# KiCad board chastity.kicad_pcb
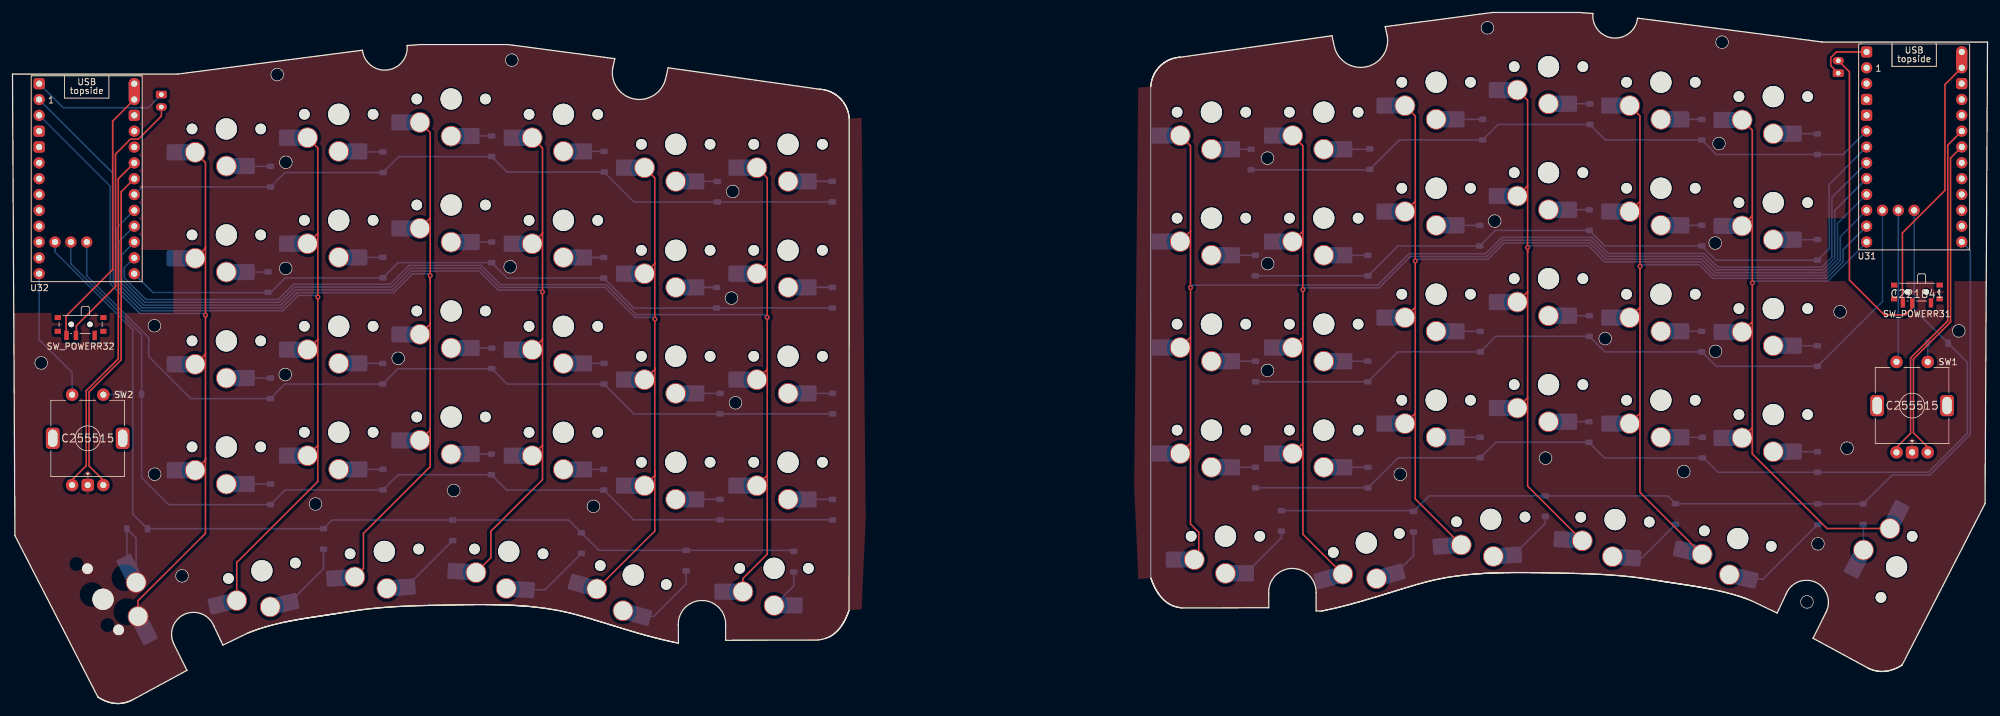
[diagram p0: board, top side]
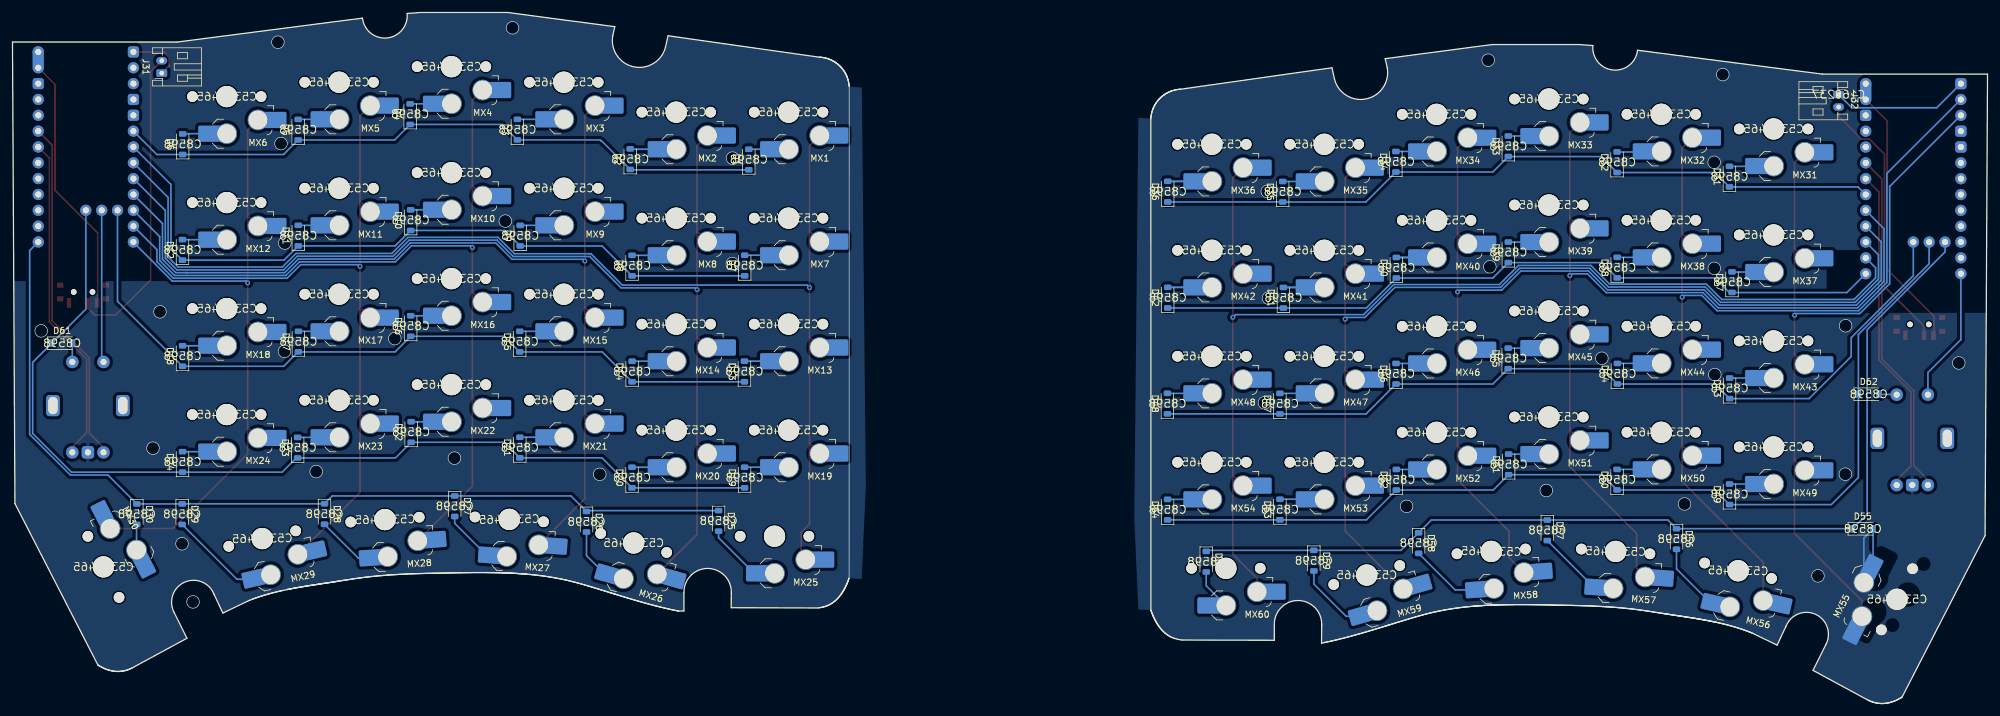
[diagram p1: board, bottom side, seen from below]

Outline 316.37 x 110.84 mm; copper layers: Top, Bottom. Coordinates in mm from the lower left corner of the outline.

## Placement (name value [footprint] x y rotation side)
D1  D_Small  [D_SOD-123]  198.42 87.25 90 bottom
D2  D_Small  [D_SOD-123]  217.42 87.31 90 bottom
D3  D_Small  [D_SOD-123]  235.49 92.05 90 bottom
D4  D_Small  [D_SOD-123]  252.67 94.53 90 bottom
D5  D_Small  [D_SOD-123]  270.61 92.04 90 bottom
D6  D_Small  [D_SOD-123]  289.11 89.71 90 bottom
D7  D_Small  [D_SOD-123]  199.08 70.25 90 bottom
D8  D_Small  [D_SOD-123]  217.12 70.24 90 bottom
D9  D_Small  [D_SOD-123]  235.04 75.04 90 bottom
D10  D_Small  [D_SOD-123]  252.59 77.53 90 bottom
D11  D_Small  [D_SOD-123]  270.59 75.05 90 bottom
D12  D_Small  [D_SOD-123]  289.14 72.76 90 bottom
D13  D_Small  [D_SOD-123]  199.12 53.26 90 bottom
D14  D_Small  [D_SOD-123]  217.11 53.25 90 bottom
D15  D_Small  [D_SOD-123]  235.12 58.05 90 bottom
D16  D_Small  [D_SOD-123]  252.58 60.55 90 bottom
D17  D_Small  [D_SOD-123]  270.57 58.05 90 bottom
D18  D_Small  [D_SOD-123]  289.13 55.74 90 bottom
D19  D_Small  [D_SOD-123]  199.1 36.25 90 bottom
D20  D_Small  [D_SOD-123]  217.13 36.24 90 bottom
D21  D_Small  [D_SOD-123]  235.1 41.06 90 bottom
D22  D_Small  [D_SOD-123]  252.51 43.55 90 bottom
D23  D_Small  [D_SOD-123]  270.69 41.04 90 bottom
D24  D_Small  [D_SOD-123]  289.13 38.75 90 bottom
D25  D_Small  [D_SOD-123]  203.27 29.29 270 bottom
D26  D_Small  [D_SOD-123]  224.42 29.16 270 bottom
D27  D_Small  [D_SOD-123]  245.53 31.65 270 bottom
D28  D_Small  [D_SOD-123]  266.39 30.4 270 bottom
D29  D_Small  [D_SOD-123]  289.19 30.37 270 bottom
D30  D_Small  [D_SOD-123]  296.45 30.37 270 bottom
D31  D_Small  [D_SOD-123]  41.34 84.51 90 bottom
D32  D_Small  [D_SOD-123]  59.34 86.82 90 bottom
D33  D_Small  [D_SOD-123]  76.76 89.38 90 bottom
D34  D_Small  [D_SOD-123]  94.77 86.9 90 bottom
D35  D_Small  [D_SOD-123]  112.91 82.08 90 bottom
D36  D_Small  [D_SOD-123]  131.31 82.1 90 bottom
D37  D_Small  [D_SOD-123]  40.93 67.59 90 bottom
D38  D_Small  [D_SOD-123]  59.32 69.92 90 bottom
D39  D_Small  [D_SOD-123]  76.76 72.37 90 bottom
D40  D_Small  [D_SOD-123]  94.7 69.9 90 bottom
D41  D_Small  [D_SOD-123]  112.79 65.08 90 bottom
D42  D_Small  [D_SOD-123]  131.32 65.1 90 bottom
D43  D_Small  [D_SOD-123]  41.32 50.56 90 bottom
D44  D_Small  [D_SOD-123]  59.29 52.9 90 bottom
D45  D_Small  [D_SOD-123]  76.78 55.36 90 bottom
D46  D_Small  [D_SOD-123]  94.75 52.9 90 bottom
D47  D_Small  [D_SOD-123]  113.35 48.1 90 bottom
D48  D_Small  [D_SOD-123]  131.37 48.11 90 bottom
D49  D_Small  [D_SOD-123]  41.33 33.56 90 bottom
D50  D_Small  [D_SOD-123]  59.34 35.91 90 bottom
D51  D_Small  [D_SOD-123]  76.71 38.36 90 bottom
D52  D_Small  [D_SOD-123]  94.7 35.9 90 bottom
D53  D_Small  [D_SOD-123]  113.35 31.12 90 bottom
D54  D_Small  [D_SOD-123]  131.34 31.1 90 bottom
D55  D_Small  [D_SOD-123]  19.98 28.02 180 bottom
D56  D_Small  [D_SOD-123]  49.82 26.4 270 bottom
D57  D_Small  [D_SOD-123]  70.52 27.79 270 bottom
D58  D_Small  [D_SOD-123]  91.13 25.74 270 bottom
D59  D_Small  [D_SOD-123]  107.91 22.92 270 bottom
D60  D_Small  [D_SOD-123]  125.15 22.76 270 bottom
D61  D_Small  [D_SOD-123]  308.41 57.8 180 bottom
D62  D_Small  [D_SOD-123]  19.03 49.62 180 bottom
J31  Conn_01x02_Socket  [JST_PH_S2B-PH-K_1x02_P2.00mm_Horizontal]  292.46 101.11 90 bottom
J32  Conn_01x02_Socket  [JST_PH_S2B-PH-K_1x02_P2.00mm_Horizontal]  23.85 97.68 270 bottom
MX1  MX_SW_HS  [SW_choc_v1_HS_CPG135001S30_1u]  192.05 94.85 180 bottom
MX2  MX_SW_HS  [SW_choc_v1_HS_CPG135001S30_1u]  210.05 94.85 180 bottom
MX3  MX_SW_HS  [SW_choc_v1_HS_CPG135001S30_1u]  228.05 99.65 180 bottom
MX4  MX_SW_HS  [SW_choc_v1_HS_CPG135001S30_1u]  246.05 102.15 180 bottom
MX5  MX_SW_HS  [SW_choc_v1_HS_CPG135001S30_1u]  264.05 99.65 180 bottom
MX6  MX_SW_HS  [SW_choc_v1_HS_CPG135001S30_1u]  282.05 97.35 180 bottom
MX7  MX_SW_HS  [SW_choc_v1_HS_CPG135001S30_1u]  192.05 77.85 180 bottom
MX8  MX_SW_HS  [SW_choc_v1_HS_CPG135001S30_1u]  210.05 77.85 180 bottom
MX9  MX_SW_HS  [SW_choc_v1_HS_CPG135001S30_1u]  228.05 82.65 180 bottom
MX10  MX_SW_HS  [SW_choc_v1_HS_CPG135001S30_1u]  246.05 85.15 180 bottom
MX11  MX_SW_HS  [SW_choc_v1_HS_CPG135001S30_1u]  264.05 82.65 180 bottom
MX12  MX_SW_HS  [SW_choc_v1_HS_CPG135001S30_1u]  282.05 80.35 180 bottom
MX13  MX_SW_HS  [SW_choc_v1_HS_CPG135001S30_1u]  192.05 60.85 180 bottom
MX14  MX_SW_HS  [SW_choc_v1_HS_CPG135001S30_1u]  210.05 60.85 180 bottom
MX15  MX_SW_HS  [SW_choc_v1_HS_CPG135001S30_1u]  228.05 65.65 180 bottom
MX16  MX_SW_HS  [SW_choc_v1_HS_CPG135001S30_1u]  246.05 68.15 180 bottom
MX17  MX_SW_HS  [SW_choc_v1_HS_CPG135001S30_1u]  264.05 65.65 180 bottom
MX18  MX_SW_HS  [SW_choc_v1_HS_CPG135001S30_1u]  282.05 63.35 180 bottom
MX19  MX_SW_HS  [SW_choc_v1_HS_CPG135001S30_1u]  192.05 43.85 180 bottom
MX20  MX_SW_HS  [SW_choc_v1_HS_CPG135001S30_1u]  210.05 43.85 180 bottom
MX21  MX_SW_HS  [SW_choc_v1_HS_CPG135001S30_1u]  228.05 48.65 180 bottom
MX22  MX_SW_HS  [SW_choc_v1_HS_CPG135001S30_1u]  246.05 51.15 180 bottom
MX23  MX_SW_HS  [SW_choc_v1_HS_CPG135001S30_1u]  264.05 48.65 180 bottom
MX24  MX_SW_HS  [SW_choc_v1_HS_CPG135001S30_1u]  282.05 46.35 180 bottom
MX25  MX_SW_HS  [SW_choc_v1_HS_CPG135001S30_1.25u]  194.31 26.83 180 bottom
MX26  MX_SW_HS  [SW_choc_v1_HS_CPG135001S30_1u]  216.87 25.75 196 bottom
MX27  MX_SW_HS  [SW_choc_v1_HS_CPG135001S30_1u#3]  236.8 29.53 184 bottom
MX28  MX_SW_HS  [SW_choc_v1_HS_CPG135001S30_1u]  256.71 29.5 176 bottom
MX29  MX_SW_HS  [SW_choc_v1_HS_CPG135001S30_1u#3]  276.37 26.46 167 bottom
MX30  MX_SW_HS  [SW_choc_v1_HS_CPG135001S30_1u]  301.8 21.92 63 bottom
MX31  MX_SW_HS  [SW_choc_v1_HS_CPG135001S30_1u]  34.26 92.16 180 bottom
MX32  MX_SW_HS  [SW_choc_v1_HS_CPG135001S30_1u]  52.26 94.51 180 bottom
MX33  MX_SW_HS  [SW_choc_v1_HS_CPG135001S30_1u]  70.26 96.96 180 bottom
MX34  MX_SW_HS  [SW_choc_v1_HS_CPG135001S30_1u]  88.25 94.5 180 bottom
MX35  MX_SW_HS  [SW_choc_v1_HS_CPG135001S30_1u]  106.24 89.7 180 bottom
MX36  MX_SW_HS  [SW_choc_v1_HS_CPG135001S30_1u]  124.24 89.7 180 bottom
MX37  MX_SW_HS  [SW_choc_v1_HS_CPG135001S30_1u]  34.26 75.16 180 bottom
MX38  MX_SW_HS  [SW_choc_v1_HS_CPG135001S30_1u]  52.26 77.51 180 bottom
MX39  MX_SW_HS  [SW_choc_v1_HS_CPG135001S30_1u]  70.26 79.96 180 bottom
MX40  MX_SW_HS  [SW_choc_v1_HS_CPG135001S30_1u]  88.25 77.5 180 bottom
MX41  MX_SW_HS  [SW_choc_v1_HS_CPG135001S30_1u]  106.24 72.7 180 bottom
MX42  MX_SW_HS  [SW_choc_v1_HS_CPG135001S30_1u]  124.24 72.7 180 bottom
MX43  MX_SW_HS  [SW_choc_v1_HS_CPG135001S30_1u]  34.26 58.16 180 bottom
MX44  MX_SW_HS  [SW_choc_v1_HS_CPG135001S30_1u]  52.26 60.51 180 bottom
MX45  MX_SW_HS  [SW_choc_v1_HS_CPG135001S30_1u]  70.26 62.96 180 bottom
MX46  MX_SW_HS  [SW_choc_v1_HS_CPG135001S30_1u]  88.25 60.5 180 bottom
MX47  MX_SW_HS  [SW_choc_v1_HS_CPG135001S30_1u]  106.24 55.7 180 bottom
MX48  MX_SW_HS  [SW_choc_v1_HS_CPG135001S30_1u]  124.24 55.7 180 bottom
MX49  MX_SW_HS  [SW_choc_v1_HS_CPG135001S30_1u]  34.26 41.16 180 bottom
MX50  MX_SW_HS  [SW_choc_v1_HS_CPG135001S30_1u]  52.26 43.51 180 bottom
MX51  MX_SW_HS  [SW_choc_v1_HS_CPG135001S30_1u]  70.26 45.96 180 bottom
MX52  MX_SW_HS  [SW_choc_v1_HS_CPG135001S30_1u]  88.25 43.5 180 bottom
MX53  MX_SW_HS  [SW_choc_v1_HS_CPG135001S30_1u]  106.24 38.7 180 bottom
MX54  MX_SW_HS  [SW_choc_v1_HS_CPG135001S30_1u]  124.24 38.7 180 bottom
MX55  MX_SW_HS  [SW_choc_v1_HS_CPG135001S30_1u]  14.5 16.72 297 bottom
MX56  MX_SW_HS  [SW_choc_v1_HS_CPG135001S30_1u]  39.95 21.3 193 bottom
MX57  MX_SW_HS  [SW_choc_v1_HS_CPG135001S30_1u#3]  59.57 24.39 184 bottom
MX58  MX_SW_HS  [SW_choc_v1_HS_CPG135001S30_1u#2]  79.5 24.4 176 bottom
MX59  MX_SW_HS  [SW_choc_v1_HS_CPG135001S30_1u]  99.44 20.61 164 bottom
MX60  MX_SW_HS  [SW_choc_v1_HS_CPG135001S30_1.25u]  122 21.69 180 bottom
SW1  RotaryEncoder_Switch  [ROT_Alps_EC11E-Switch]  304.29 47.79 0 top
SW2  RotaryEncoder_Switch  [ROT_Alps_EC11E-Switch]  12.05 42.54 0 top
SW_POWERR31  SW_SPDT  [SW_SPDT_PCM12#2]  305.06 65.68 180 top
SW_POWERR32  SW_SPDT  [SW_SPDT_PCM12]  10.91 60.48 180 top
U31  nice_nano  [nice_nano_AH_USBup]  304.62 88 0 top
U32  nice_nano  [nice_nano_AH_USBup]  11.89 82.91 0 top

## Library data of the parts
D1-D62 = -: Sim.Device: D; Sim.Pins: 1=K 2=A; LCSC: C8598; ki_fp_filters: TO-???* *_Diode_* *SingleDiode* D_*
J31 = -: ki_fp_filters: Connector*:*_1x??_*
J32 = -: LCSC: C160237; ki_fp_filters: Connector*:*_1x??_*
MX1-MX24 MX26-MX59 = -: LCSC: C5333465
SW1 SW2 = -: LCSC: C255515; ki_fp_filters: RotaryEncoder*Switch*
SW_POWERR31 = -: Description: Switch, single pole double throw; LCSC: C221841
SW_POWERR32 = -: Description: Switch, single pole double throw
U31 U32 = -: Datasheet: https://nicekeyboards.com/docs/nice-nano/pinout-schematic

## Footprints (pads in the part's own frame, mm; a bottom-side part is the same pattern mirrored in y, then rotated)
D_SOD-123
  rrect 0.9x1.2 smd: 1(-1.65,0) 2(1.65,0)
JST_PH_S2B-PH-K_1x02_P2.00mm_Horizontal
  rrect 1.2x1.75 hole 0.75: 1(0,0)
  oval 1.2x1.75 hole 0.75: 2(2,0)
nice_nano_AH_USBup
  round 1.8 hole 1: 1(-7.62,13.97) 2(-7.62,11.43) 5(-7.62,3.81) 6(-7.62,1.27) 7(-7.62,-1.27) 8(-7.62,-3.81) 9(-7.62,-6.35) 10(-7.62,-8.89) 11(-7.62,-11.43) 12(-7.62,-13.97) 15(7.62,8.89) 16(7.62,6.35) 17(7.62,3.81) 18(7.62,1.27) 19(7.62,-1.27) 20(7.62,-3.81) 21(7.62,-6.35) 22(7.62,-8.89) 23(7.62,-11.43) 24(7.62,-13.97) 25(-5.08,-8.89) 26(-2.54,-8.89) 27(0,-8.89) 29(7.62,16.51)
  rrect 1.8x1.8 hole 1: 3(-7.62,8.89) 4(-7.62,6.35) 14(7.62,11.43) 28(-7.62,16.51)
  oval 1.8x4.34 hole 1: 13(7.62,13.97)
ROT_Alps_EC11E-Switch
  round 2 hole 1: A(-2.5,-7.5) B(2.5,-7.5) S1(2.5,7) S2(-2.5,7)
  rrect 2x2 hole 1: C(0,-7.5)
  rrect 2.2x3.4 hole 1.5x2.8: MP(-5.6,0) MP(5.6,0)
SW_choc_v1_HS_CPG135001S30_1.25u
  round 1.7 hole 1.7 unplated: (-5.5,0) (5.5,0)
  round 3.4 hole 3.4 unplated: (0,0)
  round 3.3 hole 3: 1(5,-3.75) 2(0,-5.95)
  rect 1.2x2.6 smd: 1(6.55,-3.75) 2(-1.55,-5.95)
  rrect 2.65x2.6 smd: 1(8.245,-3.75) 2(-3.245,-5.95)
SW_choc_v1_HS_CPG135001S30_1u
  round 1.7 hole 1.7 unplated: (-5.5,0) (5.5,0)
  round 3.4 hole 3.4 unplated: (0,0)
  round 3.3 hole 3: 1(5,-3.75) 2(0,-5.95)
  rect 1.2x2.6 smd: 1(6.55,-3.75) 2(-1.55,-5.95)
  rrect 2.65x2.6 smd: 1(8.245,-3.75) 2(-3.245,-5.95)
SW_choc_v1_HS_CPG135001S30_1u#2
  round 1.7 hole 1.7 unplated: (-5.5,0) (5.5,0)
  round 3.4 hole 3.4 unplated: (0,0)
  round 3.3 hole 3: 1(5,-3.75) 2(0,-5.95)
  rect 1.2x2.6 smd: 1(6.55,-3.75) 2(-1.55,-5.95)
  rrect 2.65x2.6 smd: 1(8.245,-3.75) 2(-3.245,-5.95)
SW_choc_v1_HS_CPG135001S30_1u#3
  round 1.7 hole 1.7 unplated: (-5.5,0) (5.5,0)
  round 3.4 hole 3.4 unplated: (0,0)
  round 3.3 hole 3: 1(5,-3.75) 2(0,-5.95)
  rect 1.2x2.6 smd: 1(6.55,-3.75) 2(-1.55,-5.95)
  rrect 2.65x2.6 smd: 1(8.245,-3.75) 2(-3.245,-5.95)
SW_SPDT_PCM12
  rect 1x0.8 smd: (-3.65,0.78) (-3.65,-1.43) (3.65,0.78) (3.65,-1.43)
  round 0.9 hole 0.9 unplated: (-1.5,-0.33) (1.5,-0.33)
  rect 0.7x1.5 smd: 1(-2.25,1.43) 2(0.75,1.43) 3(2.25,1.43)
SW_SPDT_PCM12#2
  rect 1x0.8 smd: (-3.65,0.78) (-3.65,-1.43) (3.65,0.78) (3.65,-1.43)
  round 0.9 hole 0.9 unplated: (-1.5,-0.33) (1.5,-0.33)
  rect 0.7x1.5 smd: 1(-2.25,1.43) 2(0.75,1.43) 3(2.25,1.43)

## Nets
GND: SW1.C SW2.C
col 0: SW2.S2 U32.12
col 1: MX31.1 MX37.1 MX43.1 MX49.1 MX55.1 U32.2
col 2: MX32.1 MX38.1 MX44.1 MX50.1 MX56.1 U32.1
col 3: MX33.1 MX39.1 MX45.1 MX51.1 MX57.1 U32.20
col 4: MX34.1 MX40.1 MX46.1 MX52.1 MX58.1 U32.21
col 5: MX35.1 MX41.1 MX47.1 MX53.1 MX59.1 U32.22
col 6: MX36.1 MX42.1 MX48.1 MX54.1 MX60.1 U32.23
row 0: D31.1 D32.1 D33.1 D34.1 D35.1 D36.1 U32.19
row 1: D37.1 D38.1 D39.1 D40.1 D41.1 D42.1 U32.24
row 2: D43.1 D44.1 D45.1 D46.1 D47.1 D48.1 U32.27
row 3: D49.1 D50.1 D51.1 D52.1 D53.1 D54.1 D62.1 U32.26
row 4: D55.1 D56.1 D57.1 D58.1 D59.1 D60.1 U32.25
Net-(D1-A): D1.2 MX1.2
Net-(D1-K): D1.1 D2.1 D3.1 D4.1 D5.1 D6.1 U31.5
Net-(D2-A): D2.2 MX2.2
Net-(D3-A): D3.2 MX3.2
Net-(D4-A): D4.2 MX4.2
Net-(D5-A): D5.2 MX5.2
Net-(D6-A): D6.2 MX6.2
Net-(D7-A): D7.2 MX7.2
Net-(D8-A): D8.2 MX8.2
Net-(D9-A): D9.2 MX9.2
Net-(D10-A): D10.2 MX10.2
Net-(D10-K): D7.1 D8.1 D9.1 D10.1 D11.1 D12.1 U31.6
Net-(D11-A): D11.2 MX11.2
Net-(D12-A): D12.2 MX12.2
Net-(D13-A): D13.2 MX13.2
Net-(D13-K): D13.1 D14.1 D15.1 D16.1 D17.1 D18.1 U31.25
Net-(D14-A): D14.2 MX14.2
Net-(D15-A): D15.2 MX15.2
Net-(D16-A): D16.2 MX16.2
Net-(D17-A): D17.2 MX17.2
Net-(D18-A): D18.2 MX18.2
Net-(D19-A): D19.2 MX19.2
Net-(D19-K): D19.1 D20.1 D21.1 D22.1 D23.1 D24.1 D61.1 U31.27
Net-(D20-A): D20.2 MX20.2
Net-(D21-A): D21.2 MX21.2
Net-(D22-A): D22.2 MX22.2
Net-(D23-A): D23.2 MX23.2
Net-(D24-A): D24.2 MX24.2
Net-(D25-A): D25.2 MX25.2
Net-(D25-K): D25.1 D26.1 D27.1 D28.1 D29.1 D30.1 U31.24
Net-(D26-A): D26.2 MX26.2
Net-(D27-A): D27.2 MX27.2
Net-(D28-A): D28.2 MX28.2
Net-(D29-A): D29.2 MX29.2
Net-(D30-A): D30.2 MX30.2
Net-(D31-A): D31.2 MX31.2
Net-(D32-A): D32.2 MX32.2
Net-(D33-A): D33.2 MX33.2
Net-(D34-A): D34.2 MX34.2
Net-(D35-A): D35.2 MX35.2
Net-(D36-A): D36.2 MX36.2
Net-(D37-A): D37.2 MX37.2
Net-(D38-A): D38.2 MX38.2
Net-(D39-A): D39.2 MX39.2
Net-(D40-A): D40.2 MX40.2
Net-(D41-A): D41.2 MX41.2
Net-(D42-A): D42.2 MX42.2
Net-(D43-A): D43.2 MX43.2
Net-(D44-A): D44.2 MX44.2
Net-(D45-A): D45.2 MX45.2
Net-(D46-A): D46.2 MX46.2
Net-(D47-A): D47.2 MX47.2
Net-(D48-A): D48.2 MX48.2
Net-(D49-A): D49.2 MX49.2
Net-(D50-A): D50.2 MX50.2
Net-(D51-A): D51.2 MX51.2
Net-(D52-A): D52.2 MX52.2
Net-(D53-A): D53.2 MX53.2
Net-(D54-A): D54.2 MX54.2
Net-(D55-A): D55.2 MX55.2
Net-(D56-A): D56.2 MX56.2
Net-(D57-A): D57.2 MX57.2
Net-(D58-A): D58.2 MX58.2
Net-(D59-A): D59.2 MX59.2
Net-(D60-A): D60.2 MX60.2
Net-(D61-A): D61.2 SW1.S1
Net-(D62-A): D62.2 SW2.S1
Net-(J31-Pin_1): J31.1 U31.28
Net-(J31-Pin_2): J31.2 SW_POWERR31.2
Net-(J32-Pin_1): J32.1 U32.28
Net-(J32-Pin_2): J32.2 SW_POWERR32.2
Net-(SW_POWERR31-C): SW_POWERR31.3 U31.13
Net-(SW_POWERR32-C): SW_POWERR32.3 U32.13
Net-(U31-P0.11): MX4.1 MX10.1 MX16.1 MX22.1 MX28.1 U31.10
Net-(U31-P0.22): MX1.1 MX7.1 MX13.1 MX19.1 MX25.1 U31.7
Net-(U31-P0.24): MX2.1 MX8.1 MX14.1 MX20.1 MX26.1 U31.8
Net-(U31-P0.29-LF): SW1.B U31.18
Net-(U31-P0.31-LF): SW1.A U31.17
Net-(U31-P1.00): MX3.1 MX9.1 MX15.1 MX21.1 MX27.1 U31.9
Net-(U31-P1.02-LF): SW1.S2 U31.26
Net-(U31-P1.04-LF): MX5.1 MX11.1 MX17.1 MX23.1 MX29.1 U31.11
Net-(U31-P1.06-LF): MX6.1 MX12.1 MX18.1 MX24.1 MX30.1 U31.12
Net-(U32-P0.29-LF): SW2.B U32.18
Net-(U32-P0.31-LF): SW2.A U32.17

Pads without a net: SW1 MP; SW2 MP; SW_POWERR31 1; SW_POWERR32 1; U31 1 2 3 4 14 15 16 19 20 21 22 23 29; U32 3 4 5 6 7 8 9 10 11 14 15 16 29

## Via types
v1: diameter 0.8, hole 0.4, Top to Bottom, 12 vias

## Routing (per net, layer and track width the routed paths; a pad name or vN(x,y) marks a point on that pad's centre or on a via; arc(x,y) is an arc through that point)
col 0: length 21.6
  Bottom w0.25: SW2.S2 9.55,53.09 4.27,58.37 U32.12
col 1: length 136.1
  Top w0.25: 30.91,56.08 30.91,39.34 ; 30.91,56.08 30.91,73.23 ; 30.91,56.08 30.91,56.06 MX43.1 ; 30.91,39.34 30.91,27.29 20.12,16.5 MX55.1 ; 30.91,39.34 30.91,39.06 MX49.1 ; 30.91,73.23 30.91,73.06 MX37.1 ; 30.91,73.23 30.91,86.76 MX31.1
  Bottom w0.25: U32.2 15.68,82.93 15.68,67.32 20.45,62.56 30.63,62.56 v1(30.91,62.28)
col 2: length 157.6
  Top w0.25: 48.91,41.41 MX50.1 ; 48.91,41.41 48.91,58.46 ; 48.91,41.41 48.91,35.61 35.92,22.62 MX56.1 ; 48.91,58.46 48.91,58.41 MX44.1 ; 48.91,58.46 48.91,65.34 ; MX32.1 48.91,89.11 48.91,75.41 ; MX38.1 48.91,75.41 ; 48.91,75.41 48.91,65.34 ; 48.91,65.34 v1(48.91,65.18)
  Bottom w0.25: U32.1 16.13,85.02 16.13,67.51 20.63,63.01 43.32,63.01 45.77,65.46 48.64,65.46 v1(48.91,65.18)
col 3: length 154.1
  Top w0.25: MX45.1 66.91,60.86 66.91,61.04 ; 66.91,67.66 66.91,61.04 ; 66.91,67.66 v1(66.91,68.64) ; 66.91,67.66 66.91,77.91 ; 66.91,61.04 66.91,44.11 ; 66.91,77.91 66.91,91.56 MX33.1 ; 66.91,77.91 66.91,77.86 MX39.1 ; 66.91,44.11 66.91,43.86 MX51.1 ; 66.91,44.11 66.91,37.99 56.21,27.29 56.21,21.68 MX57.1
  Bottom w0.25: U32.20 16.58,76.17 16.58,67.7 20.82,63.46 43.13,63.46 45.58,65.91 61.08,65.91 64.09,68.92 66.64,68.92 v1(66.91,68.64)
col 4: length 165.2
  Top w0.25: 84.9,41.4 84.9,35.9 76.65,27.65 76.65,23.41 MX58.1 ; 84.9,41.4 84.9,58.47 ; 84.9,41.4 MX52.1 ; MX40.1 84.9,75.4 84.9,75.51 ; 84.9,65.74 84.9,58.47 ; 84.9,65.74 v1(84.9,66.02) ; 84.9,65.74 84.9,75.51 ; 84.9,58.47 84.9,58.4 MX46.1 ; MX34.1 84.9,89.1 84.9,75.51
  Bottom w0.25: v1(84.9,66.02) 84.62,66.3 77.82,66.3 74.75,69.37 63.9,69.37 60.89,66.36 45.39,66.36 42.94,63.91 21.01,63.91 17.03,67.88 17.03,74.06 19.51,76.54 U32.21
col 5: length 179.5
  Top w0.25: MX53.1 102.89,36.6 102.89,37.29 ; 102.89,70.7 102.89,84.3 MX35.1 ; 102.89,70.7 102.89,70.6 MX41.1 ; 102.89,70.7 102.89,53.79 ; 102.89,37.29 102.89,53.79 ; 102.89,37.29 102.89,27.67 MX59.1 ; MX47.1 102.89,53.6 102.89,53.79
  Bottom w0.25: v1(102.89,61.65) 102.62,61.93 99.75,61.93 94.93,66.75 78,66.75 74.93,69.82 63.72,69.82 60.71,66.81 45.21,66.81 42.76,64.36 21.19,64.36 17.48,68.07 17.48,71.99 U32.22
col 6: length 191.6
  Top w0.25: MX36.1 120.89,84.3 120.89,70.84 ; 120.89,53.71 120.89,36.6 ; 120.89,53.71 120.89,53.6 MX48.1 ; 120.89,53.71 120.89,70.84 ; 120.89,36.6 120.89,23.96 117,20.06 MX60.1 ; 120.89,36.6 MX54.1 ; 120.89,70.84 120.89,70.6 MX42.1
  Bottom w0.25: v1(120.89,61.95) 120.46,62.38 99.93,62.38 95.11,67.2 78.19,67.2 75.12,70.27 63.53,70.27 60.52,67.26 45.02,67.26 42.57,64.81 21.38,64.81 17.93,68.26 17.93,69.9 U32.23
row 0: length 117.4
  Bottom w0.25: D36.1 112.93,80.45 D35.1 99.59,80.43 D34.1 79.24,85.25 D33.1 61.9,87.73 D32.1 43.65,85.17 D31.1 20.73,82.86 U32.19
row 1: length 118.1
  Bottom w0.25: U32.24 22.53,65.92 40.91,65.92 D37.1 41.36,65.94 43.69,68.27 D38.1 61.77,70.72 D39.1 79.23,68.25 D40.1 99.51,63.43 D41.1 112.81,63.45 D42.1
row 2: length 139.8
  Bottom w0.25: D48.1 113.36,46.46 D47.1 99.55,46.45 D46.1 79.24,51.25 D45.1 61.75,53.71 D44.1 43.65,51.25 D43.1 28.58,48.91 21.83,55.65 21.83,58.68 11.89,68.62 U32.27
row 3: length 159.9
  Bottom w0.25: U32.26 9.35,70.52 20.68,59.19 D62.1 20.68,36.26 25.03,31.91 D49.1 43.68,34.26 D50.1 61.79,36.71 D51.1 79.17,34.25 D52.1 99.48,29.47 D53.1 131.32,29.47 D54.1
row 4: length 158.3
  Bottom w0.25: U32.25 6.81,72.42 19.28,59.95 19.28,30.37 D55.1 21.66,28.05 D56.1 51.21,29.44 D57.1 89.08,29.44 D58.1 93.95,24.57 D59.1 124.99,24.57 D60.1
Net-(D1-A): length 6.4
  Bottom w0.25: D1.2 198.42,88.9 MX1.2 MX1.2
Net-(D1-K): length 105.1
  Bottom w0.25: D1.1 217.37,85.6 D2.1 222.04,90.28 222.15,90.28 222.27,90.4 D3.1 237.97,92.88 D4.1 255.16,90.39 D5.1 272.95,88.06 D6.1 293.25,88.06 U31.5
Net-(D2-A): length 7.4
  Bottom w0.25: D2.2 217.36,88.9 MX2.2 MX2.2
Net-(D3-A): length 7.4
  Bottom w0.25: D3.2 MX3.2 MX3.2
Net-(D4-A): length 6.6
  Bottom w0.25: D4.2 252.65,96.2 MX4.2 MX4.2
Net-(D5-A): length 6.6
  Bottom w0.25: D5.2 270.61,93.7 MX5.2 MX5.2
Net-(D6-A): length 7.1
  Bottom w0.25: D6.2 289.07,91.4 MX6.2 MX6.2
Net-(D7-A): length 7
  Bottom w0.25: MX7.2 MX7.2 195.3,71.9 D7.2
Net-(D8-A): length 7.1
  Bottom w0.25: D8.2 213.31,71.89 MX8.2 MX8.2
Net-(D9-A): length 7
  Bottom w0.25: D9.2 235.03,76.7 MX9.2 MX9.2
Net-(D10-A): length 9.8
  Bottom w0.25: D10.2 252.57,79.2 MX10.2 MX10.2
Net-(D10-K): length 116.5
  Bottom w0.25: D7.1 217.11,68.6 D8.1 221.92,73.39 D9.1 237.53,75.88 D10.1 255.07,73.4 D11.1 272.88,71.11 D12.1 290.99,72.96 290.99,83.26 U31.6
Net-(D11-A): length 6.5
  Bottom w0.25: MX11.2 MX11.2 D11.2
Net-(D12-A): length 7.1
  Bottom w0.25: MX12.2 MX12.2 289.13,74.4 D12.2
Net-(D13-A): length 3.8
  Bottom w0.25: D13.2 195.31,54.91 MX13.2
Net-(D13-K): length 124.4
  Bottom w0.25: U31.25 299.55,79.1 299.55,64.51 D18.1 272.93,54.09 270.62,56.4 D17.1 255.08,56.4 D16.1 237.62,58.9 D15.1 221.91,56.4 D14.1 217.11,51.61 D13.1
Net-(D14-A): length 7.1
  Bottom w0.25: D14.2 213.3,54.9 MX14.2 MX14.2
Net-(D15-A): length 7.1
  Bottom w0.25: D15.2 231.3,59.7 MX15.2 MX15.2
Net-(D16-A): length 6.5
  Bottom w0.25: D16.2 MX16.2 MX16.2
Net-(D17-A): length 6.5
  Bottom w0.25: MX17.2 MX17.2 267.3,59.7 D17.2
Net-(D18-A): length 7.1
  Bottom w0.25: D18.2 285.31,57.39 MX18.2 MX18.2
Net-(D19-A): length 7.1
  Bottom w0.25: D19.2 MX19.2 MX19.2
Net-(D19-K): length 160.9
  Bottom w0.25: U31.27 304.62,63.24 D61.1 313.14,54.72 313.14,43.33 306.91,37.1 D24.1 273.19,37.1 270.9,39.39 D23.1 255.02,39.39 D22.1 237.59,41.9 D21.1 221.94,39.41 D20.1 217.13,34.6 D19.1
Net-(D20-A): length 7.1
  Bottom w0.25: MX20.2 MX20.2 213.3,37.89 D20.2
Net-(D21-A): length 8.7
  Bottom w0.25: MX21.2 MX21.2 ; MX21.2 MX21.2 ; MX21.2 231.31,42.71 D21.2
Net-(D22-A): length 6.5
  Bottom w0.25: MX22.2 MX22.2 D22.2
Net-(D23-A): length 6.6
  Bottom w0.25: D23.2 267.31,42.69 MX23.2 MX23.2
Net-(D24-A): length 3.8
  Bottom w0.25: D24.2 MX24.2
Net-(D25-A): length 12.4
  Bottom w0.25: D25.2 203.27,26.6 197.57,20.9 194.32,20.9 MX25.2
Net-(D25-K): length 148
  Bottom w0.25: U31.24 313.62,72.65 313.62,43.17 307.1,36.65 301.08,36.65 D30.1 D29.1 289.16,32.05 D28.1 265.14,33.3 D27.1 226.91,33.3 D26.1 224.29,30.94 D25.1
Net-(D26-A): length 7.7
  Bottom w0.25: D26.2 224.42,23.72 MX26.2
Net-(D27-A): length 8.3
  Bottom w0.25: MX27.2 245.53,28.91 D27.2
Net-(D28-A): length 9.1
  Bottom w0.25: D28.2 260.98,23.34 MX28.2
Net-(D29-A): length 14.6
  Bottom w0.25: D29.2 280.4,19.93 MX29.2
Net-(D30-A): length 4.1
  Bottom w0.25: D30.2 296.5,28.67 MX30.2
Net-(D31-A): length 7.1
  Bottom w0.25: MX31.2 34.31,86.16 D31.2
Net-(D32-A): length 7.1
  Bottom w0.25: D32.2 52.35,88.47 MX32.2
Net-(D33-A): length 6.5
  Bottom w0.25: MX33.2 70.28,91.03 D33.2
Net-(D34-A): length 6.5
  Bottom w0.25: MX34.2 88.25,88.55 D34.2
Net-(D35-A): length 6.7
  Bottom w0.25: MX35.2 106.25,83.73 D35.2
Net-(D36-A): length 10.9
  Bottom w0.25: MX36.2 131.31,83.75 D36.2 127.5,83.75 MX36.2
Net-(D37-A): length 6.7
  Bottom w0.25: 40.93,69.24 40.9,69.21 MX37.2
Net-(D38-A): length 7.1
  Bottom w0.25: MX38.2 59.31,71.56 D38.2
Net-(D39-A): length 6.5
  Bottom w0.25: MX39.2 76.75,74.01 D39.2
Net-(D40-A): length 9.7
  Bottom w0.25: MX40.2 D40.2 MX40.2
Net-(D41-A): length 9.9
  Bottom w0.25: MX41.2 109.5,66.73 D41.2 112.78,66.75 MX41.2
Net-(D42-A): length 10.9
  Bottom w0.25: MX42.2 131.31,66.75 D42.2 127.49,66.75 MX42.2
Net-(D43-A): length 7.1
  Bottom w0.25: MX43.2 41.32,52.21 D43.2
Net-(D44-A): length 7
  Bottom w0.25: MX44.2 59.28,54.56 D44.2
Net-(D45-A): length 6.5
  Bottom w0.25: D45.2 76.78,57.01 MX45.2
Net-(D46-A): length 6.5
  Bottom w0.25: MX46.2 D46.2
Net-(D47-A): length 7.1
  Bottom w0.25: MX47.2 D47.2
Net-(D48-A): length 7.1
  Bottom w0.25: D48.2 131.36,49.75 MX48.2
Net-(D49-A): length 7.1
  Bottom w0.25: D49.2 34.26,35.21 MX49.2
Net-(D50-A): length 7.1
  Bottom w0.25: D50.2 52.26,37.56 MX50.2
Net-(D51-A): length 6.4
  Bottom w0.25: D51.2 70.26,40.01 MX51.2
Net-(D52-A): length 6.4
  Bottom w0.25: MX52.2 D52.2
Net-(D53-A): length 7.1
  Bottom w0.25: D53.2 109.51,32.77 MX53.2 MX53.2
Net-(D54-A): length 7.1
  Bottom w0.25: D54.2 MX54.2
Net-(D55-A): length 14.9
  Bottom w0.25: MX55.2 18.33,22.31 D55.2 19.81,26.54 MX55.2
Net-(D56-A): length 14.2
  Bottom w0.25: 44.23,16.28 43.56,15.61 41.06,15.61 ; MX56.2 49.82,21.6 D56.2
Net-(D57-A): length 10.5
  Bottom w0.25: MX57.2 63.22,18.84 D57.2
Net-(D58-A): length 11.2
  Bottom w0.25: D58.2 85.28,18.24 MX58.2
Net-(D59-A): length 11.2
  Bottom w0.25: D59.2 107.91,19.16 102.74,13.99 MX59.2
Net-(D60-A): length 6.7
  Bottom w0.25: D60.2 125.15,18.89 MX60.2
Net-(D61-A): length 3
  Bottom w0.25: D61.2 306.79,57.77 SW1.S1
Net-(D62-A): length 2.9
  Bottom w0.25: SW2.S1 14.59,49.58 17.34,49.58 D62.2
Net-(J31-Pin_1): length 9.1
  Top w0.25: J31.1 291.26,102.31 291.26,103.61 292.16,104.51 U31.28
Net-(J31-Pin_2): length 49.6
  Top w0.25: SW_POWERR31.2 304.31,63.46 303.19,62.34 299.82,62.34 294.25,67.91 294.25,101.32 J31.2
Net-(J32-Pin_1): length 22.1
  Bottom w0.25: J32.1 21.73,95.56 8.12,95.56 U32.28
Net-(J32-Pin_2): length 43.1
  Top w0.25: SW_POWERR32.2 10.09,59.05 10.09,59.06 10.23,59.2 10.23,60.6 16.5,66.87 16.5,88.13 18.9,90.53 20.16,90.53 23.85,94.22 J32.2
Net-(SW_POWERR31-C): length 41.7
  Top w0.25: U31.13 309.55,99.28 309.55,82.3 302.74,75.49 302.74,64.33 SW_POWERR31.3
Net-(SW_POWERR32-C): length 42.4
  Top w0.25: SW_POWERR32.3 8.58,59.13 8.58,62.14 16.05,69.61 16.05,93.42 U32.13
Net-(U31-P0.11): length 147.4
  Top w0.25: MX4.1 242.7,96.75 242.7,83.05 ; 242.7,66.05 MX16.1 ; 242.7,66.05 242.7,72.35 ; 242.7,66.05 242.7,49.05 ; 242.7,83.05 MX10.1 ; 242.7,83.05 242.7,72.35 ; 242.7,72.35 v1(242.7,73.14) ; 242.7,49.05 MX22.1 ; 242.7,49.05 242.7,34.86 MX28.1
  Bottom w0.25: U31.10 292.79,74.9 292.79,71.05 290.4,68.66 272.57,68.66 270.39,70.84 255.04,70.84 252.46,73.42 242.98,73.42 v1(242.7,73.14)
Net-(U31-P0.22): length 201.7
  Top w0.25: 188.7,41.75 188.7,28.79 190.03,27.46 190.03,23.81 ; 188.7,41.75 MX19.1 ; 188.7,41.75 188.7,58.75 ; 188.7,75.75 v1(188.7,66.71) 188.7,58.75 ; 188.7,75.75 188.7,89.45 MX1.1 ; 188.7,75.75 MX7.1 ; 188.7,58.75 MX13.1
  Bottom w0.25: v1(188.7,66.71) 189.11,67.12 218.68,67.12 223.71,72.15 235.96,72.15 238.58,74.77 253.02,74.77 255.6,72.19 270.95,72.19 273.13,70.01 289.84,70.01 291.44,71.61 291.44,81.17 U31.7
Net-(U31-P0.24): length 186.8
  Top w0.25: 206.7,41.75 MX20.1 ; 206.7,41.75 206.7,58.75 ; 206.7,41.75 206.7,27.16 MX26.1 ; 206.7,75.75 206.7,89.45 MX2.1 ; 206.7,75.75 MX8.1 ; 206.7,75.75 206.7,58.75 ; 206.7,58.75 MX14.1
  Bottom w0.25: v1(206.7,66.39) 206.98,66.67 218.87,66.67 223.9,71.7 236.15,71.7 238.77,74.32 252.84,74.32 255.42,71.74 270.77,71.74 272.95,69.56 290.03,69.56 291.89,71.42 291.89,79.08 U31.8
Net-(U31-P0.29-LF): length 53.1
  Top w0.25: U31.18 310.45,87.48 310.45,61.2 304.5,55.25 304.5,43.43 306.79,41.14 SW1.B
Net-(U31-P0.31-LF): length 55.8
  Top w0.25: SW1.A 301.79,41.08 304.05,43.34 304.05,55.43 310,61.38 310,89.57 U31.17
Net-(U31-P1.00): length 166
  Top w0.25: 224.7,71.21 v1(224.7,70.97) ; 224.7,71.21 224.7,80.55 ; 224.7,71.21 224.7,63.55 ; 224.7,80.55 MX9.1 ; 224.7,80.55 224.7,94.25 MX3.1 ; 224.7,46.75 224.7,46.55 MX21.1 ; 224.7,46.75 224.7,32.81 MX27.1 ; 224.7,46.75 224.7,63.55 ; 224.7,63.55 MX15.1
  Bottom w0.25: 288.65,69.11 272.76,69.11 270.58,71.29 255.23,71.29 252.65,73.87 238.96,73.87 236.34,71.25 224.98,71.25 v1(224.7,70.97) ; 288.3,69.11 290.22,69.11 292.34,71.23 292.34,76.99 U31.9
Net-(U31-P1.02-LF): length 24.4
  Bottom w0.25: U31.26 302.08,55.08 SW1.S2
Net-(U31-P1.04-LF): length 126
  Top w0.25: 260.7,63.55 MX17.1 ; 260.7,63.55 260.7,46.55 ; 260.7,63.55 260.7,69.77 ; 260.7,80.55 260.7,94.25 MX5.1 ; 260.7,80.55 260.7,69.77 ; 260.7,80.55 MX11.1 ; 260.7,46.55 MX23.1 ; 260.7,46.55 260.7,33.88 MX29.1 ; 260.7,69.77 v1(260.7,70.11)
  Bottom w0.25: v1(260.7,70.11) 260.98,70.39 270.21,70.39 272.39,68.21 290.59,68.21 293.24,70.86 293.24,72.81 U31.11
Net-(U31-P1.06-LF): length 109.4
  Top w0.25: 278.7,44.25 278.7,40.04 290.67,28.07 MX30.1 ; 278.7,44.25 278.7,61.25 ; 278.7,44.25 MX24.1 ; 278.7,61.25 MX18.1 ; 278.7,61.25 278.7,67.39 ; MX6.1 278.7,91.95 278.7,78.25 ; 278.7,78.25 MX12.1 ; 278.7,78.25 278.7,67.39 ; 278.7,67.39 v1(278.7,67.48)
  Bottom w0.25: v1(278.7,67.48) 278.98,67.76 290.77,67.76 297,73.99 U31.12
Net-(U32-P0.29-LF): length 53.1
  Top w0.25: SW2.B 14.55,35.83 12.26,38.12 12.26,49.98 17.4,55.12 17.4,82.07 U32.18
Net-(U32-P0.31-LF): length 55.8
  Top w0.25: U32.17 16.95,84.16 16.95,55.3 11.81,50.16 11.81,38.14 9.55,35.88 SW2.A

## Copper pours and planes (outline as drawn; the poured copper is in the pictures)
GND on Top, Bottom: 179.67,34.84 180.4,106.22 237.11,113.99 251.34,113.84 289.09,109.27 320.65,109.22 320.79,70.21 320.8,32.53 318.82,28.5 312.47,15.75 307.1,5.08 301.22,1.59 281.61,11.18 269.85,15.03 255.15,17.31 233.4,16.84 208.86,10.74 180.69,12.27
GND on Top, Bottom: 136.68,29.67 135.95,101.05 79.24,108.82 65.01,108.67 27.26,104.1 -4.3,104.05 -4.44,65.04 -4.45,27.36 -2.47,23.33 3.88,10.58 9.25,-0.09 15.13,-3.58 34.74,6.01 46.5,9.86 61.21,12.14 82.95,11.67 107.49,5.57 135.66,7.1
